# Altium PCB LC.PcbDoc
Units mil, origin at the board's own origin, x right, y up, seen from the top; angles counter-clockwise.
Board outline 330.03 x 760.21 mil, 2 copper layers (Top Layer, Bottom Layer); 5 components, 2 nets, 11 pads, 8 vias.
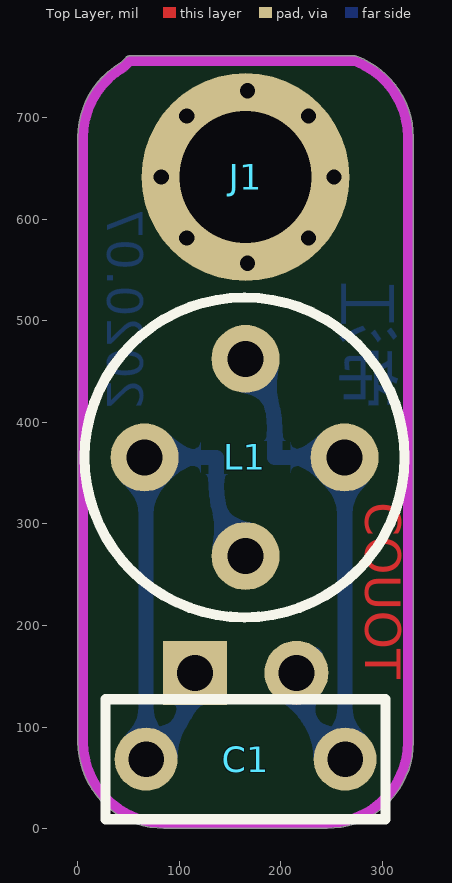
[diagram p0: Top Layer view]
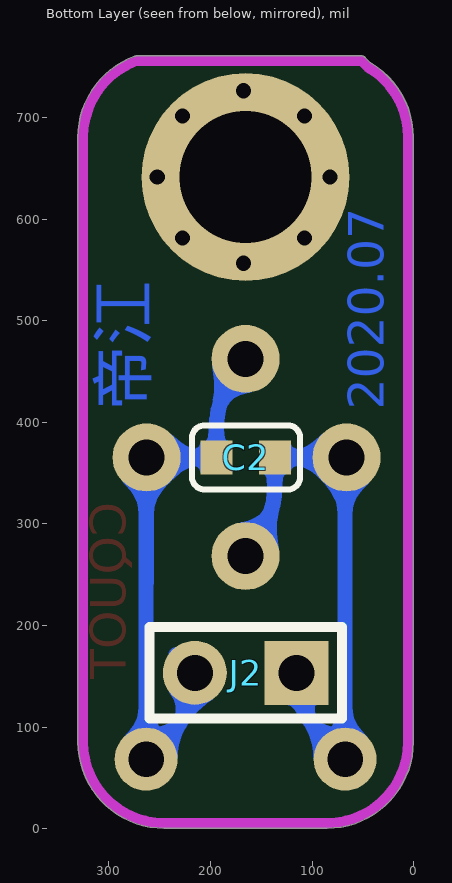
[diagram p1: Bottom Layer view, seen from below]

## Layer stack, top to bottom
Top Solder: solder mask 0.4, Solder Resist, Dk 3.5
Top Layer: signal copper 1.4
Dielectric 1: dielectric 12.6, FR-4, Dk 4.8
Bottom Layer: signal copper 1.4
Bottom Solder: solder mask 0.4, Solder Resist, Dk 3.5

## Board outline
0.48,85.5 0.48,680.5 cw(c85.5,680.5) 42.41,753.79 47.85,759.22 47.83,759.2 cw(c51.39,755.68) 51.39,760.69 272.86,760.69 cw(c272.86,755.68) 274.58,760.39 cw(c245.5,680.5) 330.52,680.5 330.52,85.5 cw(c245.5,85.5) 245.5,0.49 85.5,0.49 cw(c85.5,85.5)

## Design rules (kind name [scope] priority, off if disabled: settings)
Clearance [All] p1: gap=10
PolygonConnect [All] p1: connectstyle=Relief reliefconductorwidth=10 reliefentries=4 polygonreliefangle="90 Angle" airgapwidth=10
RoutingVias [All] p1: holewidth=28 width=50 viastyle="Through Hole" minholewidth=28 minwidth=50 maxholewidth=28 maxwidth=50
SolderMaskExpansion [All] p1: expansion=4
Width [All] p1: maxlimit=200 minlimit=10 preferedwidth=20
30 further rules are at their usual default settings.

## Components (designator, comment, footprint, x,y, rotation, side; value= is the part's Value field where it differs from the comment)
C1 "6.8nF" CAP3 165.5,68.5 r0 top
C2 "6.8nF" CAP_0603 165.5,365.5 r0 bottom
J1 "JET" M_KONG_springChange 167.5,641.5 r0 top
J2 "Header" "Header H 2.54X2" 165.5,153.5 r0 bottom
L1 "10mH" Inductor_8x10 164.5,365.5 r0 top

## Footprints (in the part's own frame and the unit in brackets; to place one, negate y for a bottom-side part, rotate by r counter-clockwise, add the part's x,y. Pads: shape width x height; smd on the part's side, far side on the other; paste and mask are expansions set on the pad)
CAP3 [mil]
  round 62 hole 35: 1(-97.92,0) 2(97.92,0)
  silkscreen extent -138,-59 138,59, body extent -142,-50 142,48, height 59
CAP_0603 [mm]
  rect 0.8x0.85 smd: 1(-0.73,0) 2(0.73,0)
  silkscreen extent -1.36,-0.8 1.34,0.8, body extent -0.8,-0.4 0.8,0.4, height 0.6
"Header H 2.54X2" [mm]
  rect 1.6x1.6 hole 0.9: 1(-1.27,0)
  round 1.6 hole 0.9: 2(1.27,0)
  silkscreen extent -2.41,-1.14 2.4,1.14, body extent -2.54,-1.27 2.54,7, height 4.43
Inductor_8x10 [mm]
  round 1.7 hole 0.9: 1(-2.5,0) 2(2.5,0)
  silkscreen extent -4,-4 4,4, body extent -4.15,-4.15 4.15,4.15, height 11.2
M_KONG_springChange [mm]
  round 5.2 hole 3.3: 1(-0.051,0)

## Part data
C1: library part CAP_聚苯电容
C2: library part CAP_0603
J2: library part "Header 2.54_2"
L1: library part Inductor

## Free pads (board coordinates)
  round 66.9 hole 35.4: 2(165.5,268.5) 2(165.5,462.5)

## Via types
v1: diameter 30, hole 15, Top Layer to Bottom Layer, 8 vias

## Nets (pads, with @x,y where several pads share a name; then routed paths per layer and width w, separated by ;. In a path a pad name is that pad's centre, name@x,y a point inside that pad or via, vN(x,y) a via of type N, cw(c..) or ccw(c..) an arc to the next point about the centre after c; other vN are vias at no path point)
NetC1_1: C1.1 C2.1 J2.1 L1.1 pad.2@165.5,268.5 | length 602.2
  Bottom Layer w15: J2.1@95.36,173.64 J2.1 cw(c25.97,153.5) 89.28,90.19 C1.1 67.58,361.86 ccw(c62.43,361.86) L1.1 C2.1 136.76,337.89 ccw(c234.89,337.89) pad.2@165.5,268.5
NetC1_2: C1.2 C2.2 J2.2 L1.2 pad.2@165.5,462.5 | length 720.3
  Bottom Layer w15: pad.2@165.5,462.5 cw(c96.11,393.11) 194.24,393.11 C2.2 L1.2 ; J2.2@233.64,171.64 J2.2 ccw(c305.03,153.5) 241.72,90.19 C1.2 263.42,364.31 ccw(c261.74,364.31) L1.2 ; 262.93,242.35 L1.2
pads on no net: J1.1
copper on no net:
  other v1: 167.5,556.5 107.5,581.5 227.5,581.5 82.5,641.5 252.5,641.5 107.5,701.5 227.5,701.5 167.5,726.5

## Keep-outs
Keep-Out Layer:
  lines w10: 5.5,528.5 5.5,680.5 cw(c85.5,680.5) 45.5,749.78 51.39,755.68 272.86,755.68 cw(c245.5,680.5) 325.5,680.5 325.5,415.5 ; 5.5,535.5 5.5,85.5 ccw(c85.5,85.5) 85.5,5.5 245.5,5.5 ccw(c245.5,85.5) 325.5,85.5 325.5,432 ; 767.5,3128.5 cw(c847.5,3128.5) 847.5,3208.5 1007.5,3208.5 cw(c1007.5,3128.5) 1087.5,3128.5 ; 1148.5,3128.5 cw(c1228.5,3128.5) 1228.5,3208.5 1388.5,3208.5 cw(c1388.5,3128.5) 1468.5,3128.5 ; 1529.5,3128.5 cw(c1609.5,3128.5) 1609.5,3208.5 ; 1607,3208.5 1767,3208.5 ; 1769.5,3208.5 cw(c1769.5,3128.5) 1849.5,3128.5 ; 1910.5,3128.5 cw(c1990.5,3128.5) 1990.5,3208.5 ; 1988,3208.5 2148,3208.5 ; 2150.5,3208.5 cw(c2150.5,3128.5) 2230.5,3128.5 ; 2291.5,3128.5 cw(c2371.5,3128.5) 2371.5,3208.5 ; 2369,3208.5 2529,3208.5 ; 2531.5,3208.5 cw(c2531.5,3128.5) 2611.5,3128.5 ; 2672.5,3128.5 cw(c2752.5,3128.5) 2752.5,3208.5 ; 2750,3208.5 2910,3208.5 ; 2912.5,3208.5 cw(c2912.5,3128.5) 2992.5,3128.5 ; 3053.5,3128.5 cw(c3133.5,3128.5) 3133.5,3208.5 ; 3131,3208.5 3291,3208.5 ; 3293.5,3208.5 cw(c3293.5,3128.5) 3373.5,3128.5 ; 3434.5,3128.5 cw(c3514.5,3128.5) 3514.5,3208.5 ; 3512,3208.5 3672,3208.5 ; 3674.5,3208.5 cw(c3674.5,3128.5) 3754.5,3128.5

## Other copper
Top Layer:
  text "CQUOT" at 271.5,321.5 h60 r270
Bottom Layer:
  text "2020.07" at 17.5,412.5 h60 r270
  text "帝江" at 248.5,411.5 h80 r270

## Silkscreen, mask and mechanical layers (free items; w line width, h text height)
Top Paste:
  text "CQUOT" at 271.5,321.5 h60 r270
Bottom Paste:
  text "2020.07" at 17.5,412.5 h60 r270
  text "帝江" at 248.5,411.5 h80 r270
Top Solder:
  text "CQUOT" at 271.5,321.5 h60 r270
Bottom Solder:
  text "2020.07" at 17.5,412.5 h60 r270
  text "帝江" at 248.5,411.5 h80 r270